# Altium PCB Nestling_2.1Allx2.PcbDoc (part 2 of 2) (continued)
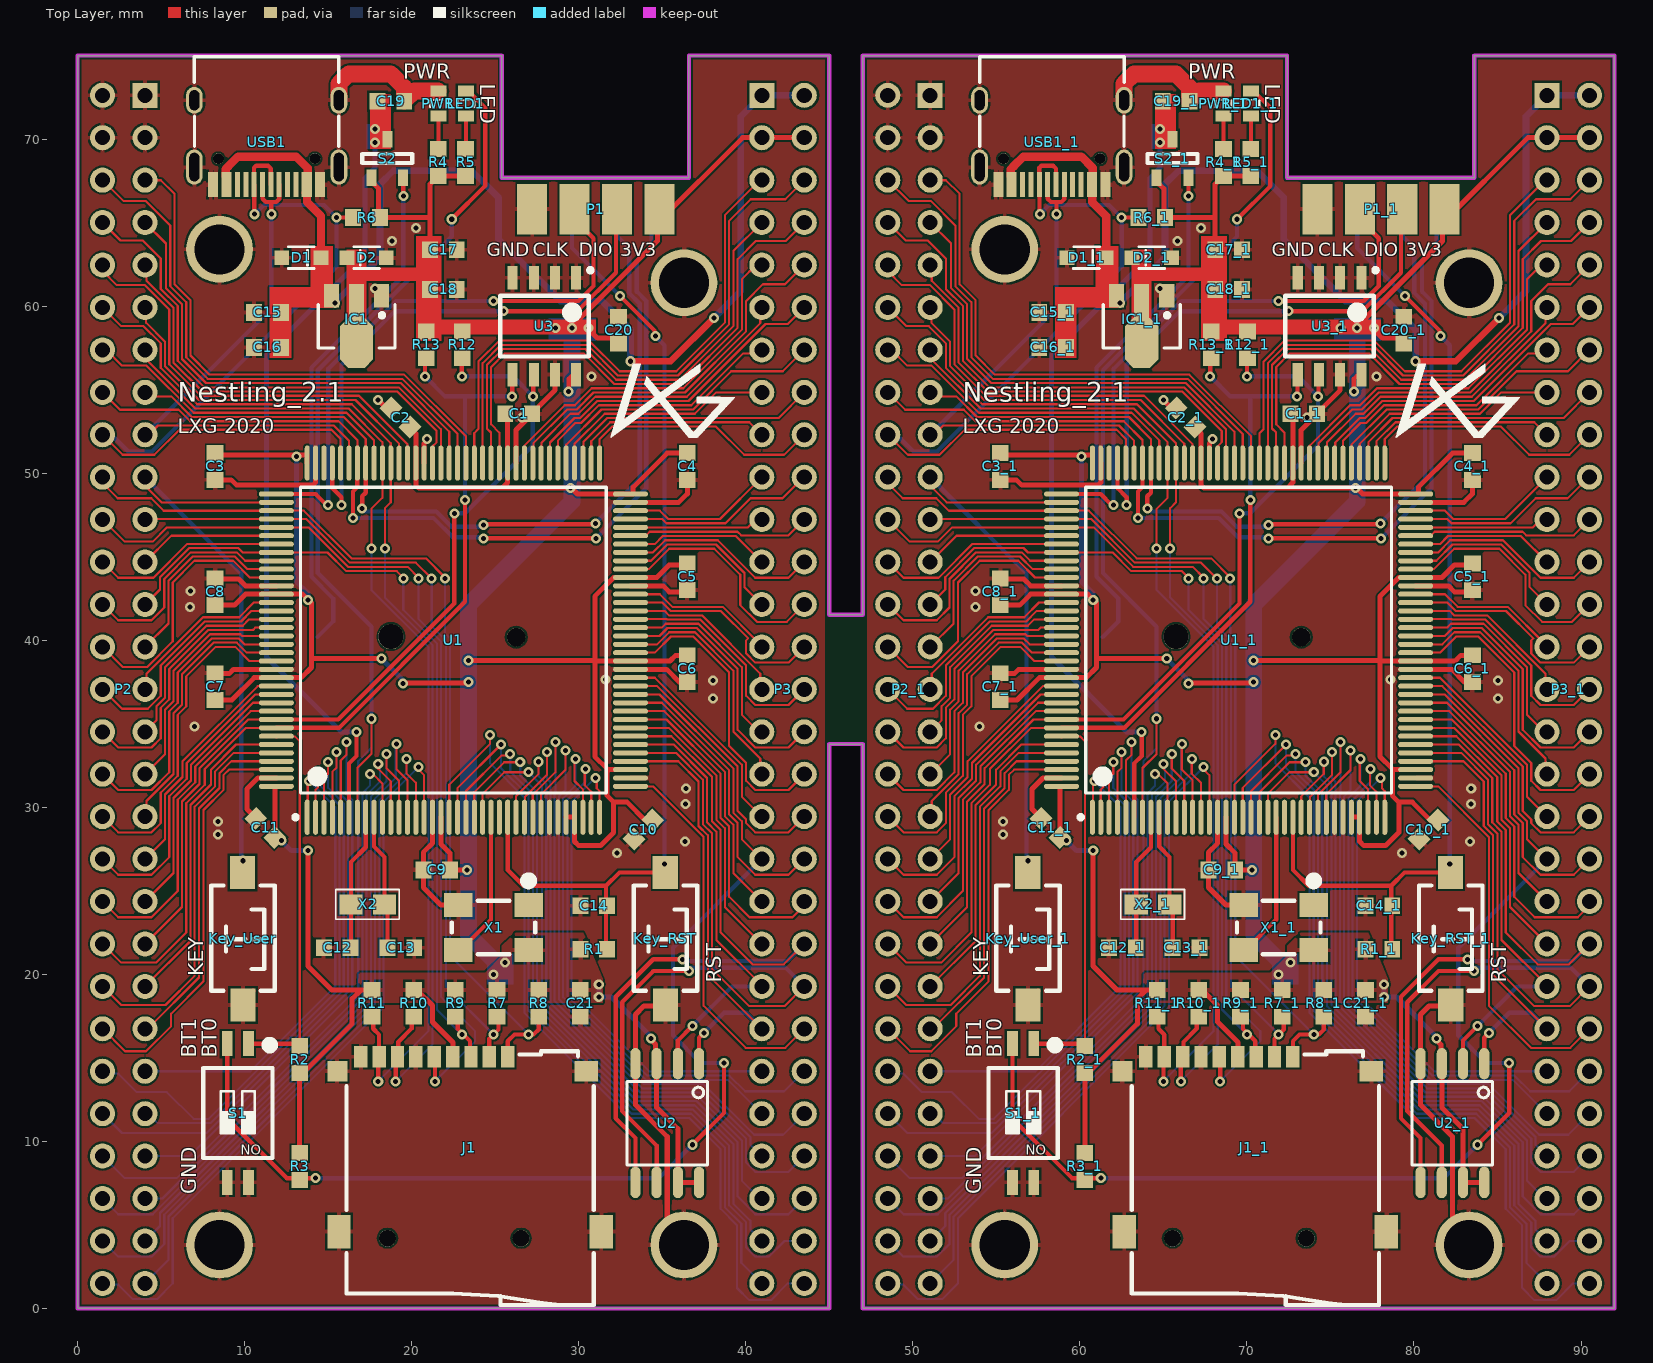
[diagram p0: Top Layer view]
## Nets (pads, with @x,y where several pads share a name; then routed paths per layer and width w, separated by ;. In a path a pad name is that pad's centre, name@x,y a point inside that pad or via, vN(x,y) a via of type N, cw(c..) or ccw(c..) an arc to the next point about the centre after c; other vN are vias at no path point) (continued)
  Top Layer w0.127: v1(18,32.6) 18,32.3 18.75,31.55 U1.11@18.75,29.405 ; v1(65,32.6) 65,32.3 65.75,31.55 U1_1.11@65.75,29.405
  Bottom Layer w0.127: P2.54@1.5,6.58 2.441,5.639 4.503,5.639 17.308,18.445 17.308,30.745 18.1,31.537 18.1,32.5 18.2,32.6 v1(18,32.6) ; P2_1.54@48.5,6.58 49.441,5.639 51.503,5.639 64.308,18.445 64.308,30.745 65.1,31.537 65.1,32.5 65.2,32.6 v1(65,32.6)
PF2: P2.55 P2_1.55 U1.12 U1_1.12 | length 78.5
  Top Layer w0.127: v1(18.5,33.2) 18.5,32.322 19.25,31.572 U1.12@19.25,29.405 ; v1(65.5,33.2) 65.5,32.322 66.25,31.572 U1_1.12@66.25,29.405
  Bottom Layer w0.127: P2.55@4.04,4.04 4.938,4.938 4.938,5.716 17.562,18.34 17.562,30.64 18.5,31.578 v1(18.5,33.2) ; P2_1.55@51.04,4.04 51.938,4.938 51.938,5.716 64.562,18.34 64.562,30.64 65.5,31.578 v1(65.5,33.2)
PF3: P2.56 P2_1.56 U1.13 U1_1.13 | length 89.5
  Top Layer w0.127: v1(19.1,33.8) 19.1,32.259 19.75,31.609 U1.13@19.75,29.405 ; v1(66.1,33.8) 66.1,32.259 66.75,31.609 U1_1.13@66.75,29.405
  Bottom Layer w0.127: P2.56@1.5,4.04 2.441,3.099 4.43,3.099 5.192,3.862 5.192,5.61 17.816,18.234 17.816,30.534 19.044,31.763 19.044,33.744 v1(19.1,33.8) ; P2_1.56@48.5,4.04 49.441,3.099 51.43,3.099 52.192,3.862 52.192,5.61 64.816,18.234 64.816,30.534 66.044,31.763 66.044,33.744 v1(66.1,33.8)
PF4: P2.57 P2_1.57 U1.14 U1_1.14 | length 83.2
  Top Layer w0.127: v1(19.7,32.9) 19.7,32.018 20.25,31.468 U1.14@20.25,29.405 ; v1(66.7,32.9) 66.7,32.018 67.25,31.468 U1_1.14@67.25,29.405
  Bottom Layer w0.127: P2.57@4.04,1.5 5.446,2.906 5.446,5.505 18.07,18.129 18.07,30.429 19.7,32.059 v1(19.7,32.9) ; P2_1.57@51.04,1.5 52.446,2.906 52.446,5.505 65.07,18.129 65.07,30.429 66.7,32.059 v1(66.7,32.9)
PF5: P2.58 P2_1.58 U1.15 U1_1.15 | length 90.2
  Top Layer w0.127: v1(20.4,32.4) 20.4,32.272 20.75,31.922 U1.15@20.75,29.405 ; v1(67.4,32.4) 67.4,32.272 67.75,31.922 U1_1.15@67.75,29.405
  Bottom Layer w0.127: P2.58@1.5,1.5 1.575,1.425 2.441,1.425 3.306,0.559 4.759,0.559 5.7,1.5 5.7,5.4 18.324,18.024 18.324,30.324 v1(20.4,32.4) ; P2_1.58@48.5,1.5 48.575,1.425 49.441,1.425 50.306,0.559 51.76,0.559 52.7,1.5 52.7,5.4 65.324,18.024 65.324,30.324 v1(67.4,32.4)
PF6: P3.58 P3_1.58 U1.18 U1_1.18 | length 104
  Top Layer w0.127: U1.18@22.25,29.405 22.25,31.354 24.7,33.804 v1(24.7,34.321) ; U1_1.18@69.25,29.405 69.25,31.354 71.7,33.804 v1(71.7,34.321)
  Bottom Layer w0.127: v1(24.7,34.321) 24.7,32.629 26.746,30.583 26.746,17.711 33.056,11.4 36.626,11.4 38.495,9.531 38.495,5.961 39.476,4.981 39.476,1.224 40.2,0.5 41.514,0.5 42.514,1.5 P3.58@43.5,1.5 ; v1(71.7,34.321) 71.7,32.629 73.746,30.583 73.746,17.711 80.057,11.4 83.626,11.4 85.496,9.531 85.496,5.961 86.476,4.981 86.476,1.224 87.2,0.5 88.514,0.5 89.514,1.5 P3_1.58@90.5,1.5
PF7: P3.57 P3_1.57 U1.19 U1_1.19 | length 92.5
  Top Layer w0.127: U1.19@22.75,29.405 22.75,31.16 v1(25.345,33.755) ; U1_1.19@69.75,29.405 69.75,31.16 v1(72.345,33.755)
  Bottom Layer w0.127: v1(25.345,33.755) 25.345,32.343 27,30.688 27,17.816 33.162,11.654 36.732,11.654 38.749,9.636 38.749,6.066 39.73,5.086 39.73,2.73 P3.57@40.96,1.5 ; v1(72.345,33.755) 72.345,32.343 74,30.688 74,17.816 80.162,11.654 83.732,11.654 85.75,9.636 85.75,6.066 86.73,5.086 86.73,2.73 P3_1.57@87.96,1.5
PF8: P3.56 P3_1.56 U1.20 U1_1.20 | length 93.5
  Top Layer w0.127: U1.20@23.25,29.405 23.25,30.973 25.386,33.109 25.809,33.109 v1(25.9,33.2) ; U1_1.20@70.25,29.405 70.25,30.973 72.386,33.109 72.809,33.109 v1(72.9,33.2)
  Bottom Layer w0.127: v1(25.9,33.2) 25.9,32.147 27.254,30.793 27.254,17.921 33.267,11.908 36.837,11.908 39.003,9.741 39.003,6.171 40.019,5.155 40.019,3.65 40.57,3.099 41.35,3.099 41.364,3.114 41.379,3.099 42.32,4.04 P3.56@43.5,4.04 ; v1(72.9,33.2) 72.9,32.147 74.254,30.793 74.254,17.921 80.267,11.908 83.837,11.908 86.004,9.741 86.004,6.171 87.02,5.155 87.02,3.65 87.57,3.099 88.35,3.099 88.364,3.114 88.379,3.099 89.32,4.04 P3_1.56@90.5,4.04
PF9: P3.55 P3_1.55 U1.21 U1_1.21 | length 83.5
  Top Layer w0.127: U1.21@23.75,29.405 23.75,30.905 25.545,32.7 v1(26.5,32.7) ; U1_1.21@70.75,29.405 70.75,30.905 72.545,32.7 v1(73.5,32.7)
  Bottom Layer w0.127: v1(26.5,32.7) 26.5,31.906 27.508,30.898 27.508,18.026 33.372,12.162 36.942,12.162 39.257,9.846 39.257,6.277 40.273,5.261 40.273,4.727 P3.55@40.96,4.04 ; v1(73.5,32.7) 73.5,31.906 74.508,30.898 74.508,18.026 80.372,12.162 83.942,12.162 86.258,9.846 86.258,6.277 87.274,5.261 87.274,4.727 P3_1.55@87.96,4.04
PF10: P3.54 P3_1.54 U1.22 U1_1.22 | length 84.4
  Top Layer w0.127: U1.22@24.25,29.405 24.25,30.81 25.54,32.1 v1(27,32.1) ; U1_1.22@71.25,29.405 71.25,30.81 72.54,32.1 v1(74,32.1)
  Bottom Layer w0.127: v1(27,32.1) 27.8,31.3 27.8,18.093 33.477,12.416 37.047,12.416 39.511,9.952 39.511,6.698 40.57,5.639 42.559,5.639 P3.54@43.5,6.58 ; v1(74,32.1) 74.8,31.3 74.8,18.093 80.477,12.416 84.047,12.416 86.512,9.952 86.512,6.698 87.57,5.639 89.56,5.639 P3_1.54@90.5,6.58
PF11: P3.36 P3_1.36 U1.49 U1_1.49 | length 32.2
  Top Layer w0.127: U1.49@33.1,37.255 34.695,37.255 39.511,32.438 39.511,29.781 40.019,29.273 40.019,29.05 40.57,28.499 42.559,28.499 P3.36@43.5,29.44 ; U1_1.49@80.1,37.255 81.695,37.255 86.512,32.438 86.512,29.781 87.02,29.273 87.02,29.05 87.57,28.499 89.56,28.499 P3_1.36@90.5,29.44
PF12: P3.35 P3_1.35 U1.50 U1_1.50 | length 24.8
  Top Layer w0.127: U1.50@33.1,37.755 34.554,37.755 39.765,32.544 39.765,30.635 P3.35@40.96,29.44 ; U1_1.50@80.1,37.755 81.554,37.755 86.766,32.544 86.766,30.635 P3_1.35@87.96,29.44
PF13: P3.34 P3_1.34 U1.53 U1_1.53 | length 36.4
  Top Layer w0.127: U1.53@33.1,39.255 34.555,39.255 35.522,40.222 36.853,40.222 39.003,38.071 39.003,33.665 40.019,32.649 40.019,31.59 40.57,31.039 42.559,31.039 P3.34@43.5,31.98 ; U1_1.53@80.1,39.255 81.555,39.255 82.522,40.222 83.853,40.222 86.004,38.071 86.004,33.665 87.02,32.649 87.02,31.59 87.57,31.039 89.56,31.039 P3_1.34@90.5,31.98
PF14: P3.33 P3_1.33 U1.54 U1_1.54 | length 28.6
  Top Layer w0.127: U1.54@33.1,39.755 34.696,39.755 35.417,40.476 36.958,40.476 39.257,38.176 39.257,34.533 40.87,32.921 40.87,32.07 P3.33@40.96,31.98 ; U1_1.54@80.1,39.755 81.696,39.755 82.417,40.476 83.958,40.476 86.258,38.176 86.258,34.533 87.87,32.921 87.87,32.07 P3_1.33@87.96,31.98
PF15: P3.32 P3_1.32 U1.55 U1_1.55 | length 32.2
  Top Layer w0.127: U1.55@33.1,40.255 34.837,40.255 35.312,40.73 37.063,40.73 39.511,38.282 39.511,34.638 40.57,33.579 42.559,33.579 P3.32@43.5,34.52 ; U1_1.55@80.1,40.255 81.837,40.255 82.312,40.73 84.063,40.73 86.512,38.282 86.512,34.638 87.57,33.579 89.56,33.579 P3_1.32@90.5,34.52
PG0: P3.31 P3_1.31 U1.56 U1_1.56 | length 24.6
  Top Layer w0.127: U1.56@33.1,40.755 34.977,40.755 35.206,40.984 37.168,40.984 39.765,38.387 39.765,35.535 40.78,34.52 P3.31@40.96,34.52 ; U1_1.56@80.1,40.755 81.977,40.755 82.206,40.984 84.168,40.984 86.766,38.387 86.766,35.535 87.78,34.52 P3_1.31@87.96,34.52
PG1: P3.30 P3_1.30 U1.57 U1_1.57 | length 28
  Top Layer w0.127: U1.57@33.1,41.255 33.108,41.263 35.268,41.263 35.293,41.238 37.274,41.238 40.019,38.492 40.019,36.67 40.57,36.119 42.559,36.119 P3.30@43.5,37.06 ; U1_1.57@80.1,41.255 80.108,41.263 82.268,41.263 82.293,41.238 84.274,41.238 87.02,38.492 87.02,36.67 87.57,36.119 89.56,36.119 P3_1.30@90.5,37.06
PG2: P3.6 P3_1.6 U1.87 U1_1.87 | length 69.8
  Top Layer w0.127: U1.87@24.25,50.605 24.25,56.583 25.345,57.678 30.513,57.678 32.345,55.846 35.941,55.846 39.003,58.909 39.003,65.103 40.3,66.4 42.36,66.4 P3.6@43.5,67.54 ; U1_1.87@71.25,50.605 71.25,56.583 72.345,57.678 77.513,57.678 79.345,55.846 82.941,55.846 86.004,58.909 86.004,65.103 87.3,66.4 89.36,66.4 P3_1.6@90.5,67.54
PG3: P3.5 P3_1.5 U1.88 U1_1.88 | length 65.9
  Top Layer w0.127: U1.88@23.75,50.605 23.75,52.4 23.996,52.646 23.996,56.689 25.24,57.932 30.618,57.932 32.451,56.1 35.835,56.1 38.749,59.014 38.749,65.449 40.84,67.54 P3.5@40.96,67.54 ; U1_1.88@70.75,50.605 70.75,52.4 70.996,52.646 70.996,56.689 72.24,57.932 77.618,57.932 79.451,56.1 82.835,56.1 85.75,59.014 85.75,65.449 87.84,67.54 P3_1.5@87.96,67.54
PG4: P2.5 P2_1.5 U1.89 U1_1.89 | length 64.5
  Top Layer w0.127: P2.5@4.04,67.54 4.043,67.536 4.981,67.536 5.8,66.717 5.8,61.3 6.759,60.341 6.759,57.041 7.898,55.902 19.552,55.902 23.25,52.204 U1.89@23.25,50.605 ; P2_1.5@51.04,67.54 51.044,67.536 51.981,67.536 52.8,66.717 52.8,61.3 53.759,60.341 53.759,57.041 54.898,55.902 66.552,55.902 70.25,52.204 U1_1.89@70.25,50.605
PG5: P2.6 P2_1.6 U1.90 U1_1.90 | length 66.7
  Top Layer w0.127: P2.6@1.5,67.54 2.74,66.3 4.07,66.3 5.546,64.824 5.546,61.195 6.505,60.236 6.505,56.936 7.793,55.648 19.447,55.648 22.75,52.345 U1.90@22.75,50.605 ; P2_1.6@48.5,67.54 49.74,66.3 51.07,66.3 52.546,64.824 52.546,61.195 53.505,60.236 53.505,56.936 54.793,55.648 66.447,55.648 69.75,52.345 U1_1.90@69.75,50.605
PG6: P2.7 P2_1.7 U1.91 U1_1.91 | length 57.5
  Top Layer w0.127: P2.7@4.04,65 5.292,63.748 5.292,61.076 6.251,60.117 6.251,56.831 7.688,55.394 19.341,55.394 22.25,52.485 U1.91@22.25,50.605 ; P2_1.7@51.04,65 52.292,63.748 52.292,61.076 53.251,60.117 53.251,56.831 54.688,55.394 66.341,55.394 69.25,52.485 U1_1.91@69.25,50.605
PG7: P2.8 P2_1.8 U1.92 U1_1.92 | length 60.8
  Top Layer w0.127: P2.8@1.5,65 2.569,63.931 3.899,63.931 4.981,62.85 4.981,61.028 5.997,60.012 5.997,56.726 7.582,55.14 19.236,55.14 21.75,52.626 U1.92@21.75,50.605 ; P2_1.8@48.5,65 49.569,63.931 50.899,63.931 51.981,62.85 51.981,61.028 52.997,60.012 52.997,56.726 54.582,55.14 66.236,55.14 68.75,52.626 U1_1.92@68.75,50.605
PG8: P2.9 P2_1.9 U1.93 U1_1.93 | length 50.2
  Top Layer w0.127: P2.9@4.04,62.46 4.13,62.37 4.13,61.519 5.743,59.907 5.743,56.621 7.477,54.886 19.131,54.886 21.496,52.521 21.496,51.86 21.25,51.614 U1.93@21.25,51.505 ; P2_1.9@51.04,62.46 51.13,62.37 51.13,61.519 52.743,59.907 52.743,56.621 54.477,54.886 66.131,54.886 68.496,52.521 68.496,51.86 68.25,51.614 U1_1.93@68.25,51.505
PG9: P2.31 P2_1.31 U1.124 U1_1.124 | length 24.4
  Top Layer w0.127: P2.31@4.04,34.52 4.727,35.207 4.727,36.057 5.235,36.565 5.235,38.387 7.718,40.87 9.888,40.87 10.265,41.247 11.892,41.247 U1.124@11.9,41.255 ; P2_1.31@51.04,34.52 51.727,35.207 51.727,36.057 52.235,36.565 52.235,38.387 54.718,40.87 56.888,40.87 57.265,41.247 58.892,41.247 U1_1.124@58.9,41.255
PG10: P2.32 P2_1.32 U1.125 U1_1.125 | length 31.8
  Top Layer w0.127: P2.32@1.5,34.52 2.441,33.579 4.43,33.579 4.981,34.13 4.981,35.952 5.489,36.46 5.489,38.282 7.823,40.616 10.5,40.616 10.639,40.755 U1.125@11.9,40.755 ; P2_1.32@48.5,34.52 49.441,33.579 51.43,33.579 51.981,34.13 51.981,35.952 52.489,36.46 52.489,38.282 54.823,40.616 57.5,40.616 57.639,40.755 U1_1.125@58.9,40.755
PG11: P2.33 P2_1.33 U1.126 U1_1.126 | length 28
  Top Layer w0.127: P2.33@4.04,31.98 5.235,33.175 5.235,35.847 5.743,36.355 5.743,38.176 7.928,40.362 9.748,40.362 9.855,40.255 U1.126@11.9,40.255 ; P2_1.33@51.04,31.98 52.235,33.175 52.235,35.847 52.743,36.355 52.743,38.176 54.928,40.362 56.748,40.362 56.855,40.255 U1_1.126@58.9,40.255
PG12: P2.34 P2_1.34 U1.127 U1_1.127 | length 35.8
  Top Layer w0.127: P2.34@1.5,31.98 2.441,31.039 4.43,31.039 5.489,32.098 5.489,35.742 5.997,36.25 5.997,38.071 8.033,40.108 9.642,40.108 9.995,39.755 U1.127@11.9,39.755 ; P2_1.34@48.5,31.98 49.441,31.039 51.43,31.039 52.489,32.098 52.489,35.742 52.997,36.25 52.997,38.071 55.033,40.108 56.642,40.108 56.995,39.755 U1_1.127@58.9,39.755
PG13: P2.35 P2_1.35 U1.128 U1_1.128 | length 32.2
  Top Layer w0.127: P2.35@4.04,29.44 4.13,29.53 4.13,30.381 5.743,31.993 5.743,35.636 6.251,36.144 6.251,37.966 8.139,39.854 9.537,39.854 10.136,39.255 U1.128@11.9,39.255 ; P2_1.35@51.04,29.44 51.13,29.53 51.13,30.381 52.743,31.993 52.743,35.636 53.251,36.144 53.251,37.966 55.139,39.854 56.537,39.854 57.136,39.255 U1_1.128@58.9,39.255
PG14: P2.36 P2_1.36 U1.129 U1_1.129 | length 40
  Top Layer w0.127: P2.36@1.5,29.44 2.441,28.499 4.43,28.499 4.981,29.05 4.981,30.872 5.997,31.888 5.997,35.531 6.505,36.039 6.505,37.838 8.267,39.6 9.432,39.6 10.277,38.755 U1.129@11.9,38.755 ; P2_1.36@48.5,29.44 49.441,28.499 51.43,28.499 51.981,29.05 51.981,30.872 52.997,31.888 52.997,35.531 53.505,36.039 53.505,37.838 55.267,39.6 56.432,39.6 57.277,38.755 U1_1.129@58.9,38.755
PG15: P2.37 P2_1.37 U1.132 U1_1.132 | length 28.5
  Top Layer w0.127: P2.37@4.04,26.9 5.235,28.095 5.235,30.767 6.284,31.816 6.284,32.754 10.785,37.255 U1.132@11.9,37.255 ; P2_1.37@51.04,26.9 52.235,28.095 52.235,30.767 53.284,31.816 53.284,32.754 57.785,37.255 U1_1.132@58.9,37.255
"SWCLK PA14": P1.3 P1_1.3 U1.109 U1_1.109 | length 69.1
  Top Layer w0.254: U1.109@11.9,48.755 11.909,48.746 14.254,48.746 14.9,48.1 v1(15.006,48.1) ; v1(24.9,60.3) 29.989,60.3 30.889,61.2 30.889,64.067 29.756,65.2 P1.3@29.756,65.8 ; U1_1.109@58.9,48.755 58.909,48.746 61.254,48.746 61.9,48.1 v1(62.006,48.1) ; v1(71.9,60.3) 76.989,60.3 77.889,61.2 77.889,64.067 76.756,65.2 P1_1.3@76.756,65.8
  Bottom Layer w0.254: v1(15.006,48.1) 15.006,56.245 19.061,60.3 v1(24.9,60.3) ; v1(62.006,48.1) 62.006,56.245 66.061,60.3 v1(71.9,60.3)
"SWDIO PA13": P1.2 P1_1.2 U1.105 U1_1.105 | length 67.3
  Top Layer w0.254: U1.105@15.25,50.605 15.25,49.105 15.8,48.555 v1(15.8,48.1) ; v1(25.5,59.7) 29.928,59.7 32.228,62 32.228,65.732 P1.2@32.296,65.8 ; U1_1.105@62.25,50.605 62.25,49.105 62.8,48.555 v1(62.8,48.1) ; v1(72.5,59.7) 76.928,59.7 79.228,62 79.228,65.732 P1_1.2@79.296,65.8
  Bottom Layer w0.254: v1(15.8,48.1) 15.8,56.5 19,59.7 v1(25.5,59.7) ; v1(62.8,48.1) 62.8,56.5 66,59.7 v1(72.5,59.7)
VBAT: C19.1 C19_1.1 S2.3 S2_1.3 U1.6 U1_1.6 | length 97.2
  Top Layer w0.254: U1.6@16.25,29.405 16.25,32.621 16.7,33.071 v1(16.7,34.52) ; U1_1.6@63.25,29.405 63.25,32.621 63.7,33.071 v1(63.7,34.52)
  Top Layer w0.3: C19.1@17.958,72.271 17.958,70.768 18.542,70.184 S2.3@18.542,69.984 ; C19_1.1@64.958,72.271 64.958,70.768 65.542,70.184 S2_1.3@65.542,69.984
  Bottom Layer w0.3: v1(16.7,34.52) 15.78,34.52 11.3,39 11.3,57.1 17.2,63 17.2,67.663 17.8,68.263 v1(17.8,69.8) ; v1(63.7,34.52) 62.78,34.52 58.3,39 58.3,57.1 64.2,63 64.2,67.663 64.8,68.263 v1(64.8,69.8)
  other v1: 17.8,70.6 64.8,70.6
pads on no net: B1.0 B1_1.0 J1.0 J1_1.0 U1.24 U1.106 U1_1.24 U1_1.106 USB1.0 USB1.A5 USB1.A8 USB1.B5 USB1.B8 USB1_1.0 USB1_1.A5 USB1_1.A8 USB1_1.B5 USB1_1.B8 X1.1 X1_1.1

## Polygon pours and split planes (outlines as drawn)
GND on Top Layer "Top GND" (solid, pour order 108): 47,0 47,75 72.4,75 72.4,67.691 83.6,67.691 83.6,75 92,75 92,0
3V3 on Top Layer "Top Layer-3V3" (solid, pour order 106): 63.823,20 63.923,20.1 71.4,20.1 72.4,21.1 72.4,21.7 73.2,22.5 77.269,22.5 78.437,19.725 78.437,18.3 77.496,18.3 63.75,18.3
GND on Top Layer "Top Layer-GND 4" (solid, pour order 104): 53.2,9 53.3,9.1 57.6,9.1 59,7.7 59,6.4 61.4,6.4 61.9,6.9 61.9,15.065 62.935,16.1 63.95,16.1 64.4,15.65 64.4,12.8 66.4,12.8 67,13.4 67,15.6 67.3,15.6 67.6,15.3 67.6,13.217 68.017,12.8 75.797,12.8 75.797,17.3 77.9,17.3 78.7,16.863 78.7,3.4 64.95,3.4 62.65,1.1 53.705,1.1 52.9,1.904 52.9,8.6
GND on Top Layer "Top Layer-GND" (solid, pour order 102): 61.2,66.5 61.2,70 63.4,70 63.5,69.9 63.5,66.717 63.283,66.5
GND on Top Layer "Top Layer-GND 1" (solid, pour order 100): 55.43,66.6 55.4,66.63 55.4,69.851 55.351,69.9 52.997,69.9 52.997,67.108 53.505,66.6
GND on Top Layer "Top Layer-GND 2" (solid, pour order 98): 47.5,74.1 62.8,74.1 63.5,73.4 63.5,68.5 63.2,68.2 62,69.4 55,69.4 54.1,68.5 54.1,67.7 53.5,67.7 52.2,69 47.9,69 47.3,69.6 47.3,73.7
GND on Top Layer "Top Layer-GND 3" (solid, pour order 96): 78.4,6.3 78.5,6.2 85.191,6.2 86.004,5.388 86.004,2.203 84.4,0.6 54.189,0.6 53.7,1.089 53.7,1.4
GND on Top Layer "Top GND" (solid, pour order 92): 0,0 0,75 25.4,75 25.4,67.691 36.6,67.691 36.6,75 45,75 45,0
3V3 on Top Layer "Top Layer-3V3" (solid, pour order 90): 16.823,20 16.923,20.1 24.4,20.1 25.4,21.1 25.4,21.7 26.2,22.5 30.269,22.5 31.437,19.725 31.437,18.3 30.496,18.3 16.75,18.3
GND on Top Layer "Top Layer-GND 4" (solid, pour order 88): 6.2,9 6.3,9.1 10.6,9.1 12,7.7 12,6.4 14.4,6.4 14.9,6.9 14.9,15.065 15.935,16.1 16.95,16.1 17.4,15.65 17.4,12.8 19.4,12.8 20,13.4 20,15.6 20.3,15.6 20.6,15.3 20.6,13.217 21.017,12.8 28.797,12.8 28.797,17.3 30.9,17.3 31.7,16.863 31.7,3.4 17.95,3.4 15.65,1.1 6.705,1.1 5.9,1.904 5.9,8.6
GND on Top Layer "Top Layer-GND" (solid, pour order 86): 14.2,66.5 14.2,70 16.4,70 16.5,69.9 16.5,66.717 16.283,66.5
GND on Top Layer "Top Layer-GND 1" (solid, pour order 84): 8.43,66.6 8.4,66.63 8.4,69.851 8.351,69.9 5.997,69.9 5.997,67.108 6.505,66.6
GND on Top Layer "Top Layer-GND 2" (solid, pour order 82): 0.5,74.1 15.8,74.1 16.5,73.4 16.5,68.5 16.2,68.2 15,69.4 8,69.4 7.1,68.5 7.1,67.7 6.5,67.7 5.2,69 0.9,69 0.3,69.6 0.3,73.7
GND on Top Layer "Top Layer-GND 3" (solid, pour order 80): 31.4,6.3 31.5,6.2 38.191,6.2 39.003,5.388 39.003,2.203 37.4,0.6 7.189,0.6 6.7,1.089 6.7,1.4
GND on Bottom Layer "BOTTOM GND" (solid, pour order 110): 47,0 47,75 72.4,75 72.4,67.691 83.6,67.691 83.6,75 92,75 92,0
GND on Bottom Layer "BOTTOM GND" (solid, pour order 94): 0,0 0,75 25.4,75 25.4,67.691 36.6,67.691 36.6,75 45,75 45,0

## Keep-outs
Keep-Out Layer:
  the board outline again, w0.254

## Other copper
Top Layer:
  rectangle net VBAT: 64.5,69.4 65.75,72.7
  rectangle net 3V3: 68.1,58.3 78.039,59.2
  rectangle net 3V3: 63.1,58.7 64.3,63.4
  rectangle net 5V: 60.945,59.9 62.3,63.6
  rectangle net 3V3: 67.25,57.9 68.8,64.2
  rectangle net 3V3: 63.231,61.5 68.7,62.3
  rectangle net 5V: 58.5,59.907 62.191,61.142
  rectangle net 5V: 58.5,56.9 59.8,60.3
  rectangle net VBAT: 17.5,69.4 18.75,72.7
  rectangle net 3V3: 21.1,58.3 31.039,59.2
  rectangle net 3V3: 16.1,58.7 17.3,63.4
  rectangle net 5V: 13.945,59.9 15.3,63.6
  rectangle net 3V3: 20.25,57.9 21.8,64.2
  rectangle net 3V3: 16.231,61.5 21.7,62.3
  rectangle net 5V: 11.5,59.907 15.191,61.142
  rectangle net 5V: 11.5,56.9 12.8,60.3
Bottom Layer:
  rectangle net VBAT: 64.3,69.4 65.3,70.9
  rectangle net 3V3: 71.5,19.4 73.1,21.245
  rectangle net 3V3: 75.2,57.9 78.039,59.3
  rectangle net VBAT: 17.3,69.4 18.3,70.9
  rectangle net 3V3: 24.5,19.4 26.1,21.245
  rectangle net 3V3: 28.2,57.9 31.039,59.3

## Silkscreen, mask and mechanical layers (free items; w line width, h text height)
Top Overlay:
  drawing of 2806 lines, arcs and shapes, not listed
  text "PWR" at 19.5,73.6 h0.9
  text "PWR" at 66.5,73.6 h0.9
  text "LED" at 24.105,73.3 h0.9 r270
  text "LED" at 71.105,73.3 h0.9 r270
  text "GND" at 24.5,63 h0.8
  text "CLK" at 27.254,63 h0.8
  text "DIO" at 30.015,63 h0.8
  text "3V3" at 32.5,63 h0.8
  text "GND" at 71.5,63 h0.8
  text "CLK" at 74.254,63 h0.8
  text "DIO" at 77.015,63 h0.8
  text "3V3" at 79.5,63 h0.8
  text "Nestling_2.1" at 6,53.9 h2
  text "Nestling_2.1" at 53,53.9 h2
  text "LXG 2020" at 6,52.1 h1.5
  text "LXG 2020" at 53,52.1 h1.5
  text "KEY" at 7.53,19.9 h0.9 r90
  text "KEY" at 54.53,19.9 h0.9 r90
  text "RST" at 38.53,19.5 h0.9 r90
  text "RST" at 85.53,19.5 h0.9 r90
  text "BT1" at 7.1,15 h0.9 r90
  text "BT0" at 8.33,15 h0.9 r90
  text "BT1" at 54.1,15 h0.9 r90
  text "BT0" at 55.33,15 h0.9 r90
  text "GND" at 7.1,6.844 h0.9 r90
  text "GND" at 54.1,6.844 h0.9 r90
Bottom Overlay:
  drawing of 2806 lines, arcs and shapes, not listed
  text "5V" at 39.5,72.22 h0.8
  text "5V" at 86.5,72.22 h0.8
  text "GND->" at 11.713,72.2 h0.8
  text "GND->" at 58.713,72.2 h0.8
  text "3V3" at 39.5,69.7 h0.8
  text "3V3" at 86.5,69.7 h0.8
  text "GND->" at 11.713,69.661 h0.8
  text "GND->" at 58.713,69.661 h0.8
  text "<G2" at 39.6,67.5 h0.8
  text "<G2" at 86.6,67.5 h0.8
  text "G4 G5->" at 13.7,67.1 h0.8
  text "G4 G5->" at 60.7,67.1 h0.8
  text "G3" at 38,66.4 h0.8
  text "G3" at 85,66.4 h0.8
  text "<D14" at 39.6,65 h0.8
  text "<D14" at 86.6,65 h0.8
  text "G6 G7->" at 16.512,64.582 h0.8
  text "G6 G7->" at 63.512,64.582 h0.8
  text "D15" at 38.1,63.9 h0.8
  text "D15" at 85.1,63.9 h0.8
  text "GND" at 26.9,63.2 h0.8
  text "RST" at 29.88,63.2 h0.8
  text "TX" at 32.2,63.2 h0.8
  text "RX" at 34.5,63.2 h0.8
  text "GND" at 73.9,63.2 h0.8
  text "RST" at 76.88,63.2 h0.8
  text "TX" at 79.2,63.2 h0.8
  text "RX" at 81.5,63.2 h0.8
  text "G8 C6->" at 16.512,62.043 h0.8
  text "G8 C6->" at 63.512,62.043 h0.8
  text "<-D12 D13" at 33.7,61.5 h0.8
  text "<-D12 D13" at 80.7,61.5 h0.8
  text "C7 C8(TF)->" at 13.845,59.504 h0.8
  text "<-D10 D11" at 33.7,59.5 h0.8
  text "C7 C8(TF)->" at 60.845,59.504 h0.8
  text "<-D10 D11" at 80.7,59.5 h0.8
  text "<-D8 D9" at 39.5,57 h0.8
  text "<-D8 D9" at 86.5,57 h0.8
  text "C9(TF) A8->" at 13.845,56.964 h0.8
  text "C9(TF) A8->" at 60.845,56.964 h0.8
  text "<-B14 B15" at 39.5,54.6 h0.8
  text "<-B14 B15" at 86.5,54.6 h0.8
  text "A9 A10->" at 11.579,54.425 h0.8
  text "A9 A10->" at 58.579,54.425 h0.8
  text "A11(USB-) A12(USB+)->" at 21.175,51.886 h0.8
  text "A11(USB-) A12(USB+)->" at 68.175,51.886 h0.8
  text "<-B12 B13" at 39.5,51.8 h0.8
  text "<-B12 B13" at 86.5,51.8 h0.8
  text "A15(KEY) C10(TF)->" at 18.91,49.446 h0.8
  text "A15(KEY) C10(TF)->" at 65.91,49.446 h0.8
  text "<-B10 B11" at 39.5,49.265 h0.8
  text "<-B10 B11" at 86.5,49.265 h0.8
  text "C11(TF) C12(TF)->" at 18.004,47.6 h0.8
  text "C11(TF) C12(TF)->" at 65.004,47.6 h0.8
  text "<-E14 E15" at 39.5,46.73 h0.8
  text "<-E14 E15" at 86.5,46.73 h0.8
  text "D0 D1->" at 10.779,44.268 h0.8
  text "D0 D1->" at 57.779,44.268 h0.8
  text "<-E12 E13" at 39.5,44.195 h0.8
  text "<-E12 E13" at 86.5,44.195 h0.8
  text "D2(TF) D3->" at 13.845,41.729 h0.8
  text "D2(TF) D3->" at 60.845,41.729 h0.8
  text "<-E10 E11" at 39.5,41.66 h0.8
  text "<-E10 E11" at 86.5,41.66 h0.8
  text "D4 D5->" at 10.912,39.189 h0.8
  text "D4 D5->" at 57.912,39.189 h0.8
  text "<-E8 E9" at 39.5,39.125 h0.8
  text "<-E8 E9" at 86.5,39.125 h0.8
  text "D6 D7->" at 10.912,36.65 h0.8
  text "D6 D7->" at 57.912,36.65 h0.8
  text "<-G1 E7" at 39.5,36.59 h0.8
  text "<-G1 E7" at 86.5,36.59 h0.8
  text "G9 G10->" at 11.579,34.111 h0.8
  text "G9 G10->" at 58.579,34.111 h0.8
  text "<-F15 G0" at 39.5,34.055 h0.8
  text "<-F15 G0" at 86.5,34.055 h0.8
  text "G11 G12->" at 12.112,31.571 h0.8
  text "G11 G12->" at 59.112,31.571 h0.8
  text "<-F13 F14" at 39.5,31.52 h0.8
  text "<-F13 F14" at 86.5,31.52 h0.8
  text "G13 G14->" at 12.245,29.032 h0.8
  text "G13 G14->" at 59.245,29.032 h0.8
  text "<-F11 F12" at 39.5,28.985 h0.8
  text "<-F11 F12" at 86.5,28.985 h0.8
  text "G15 B3->" at 11.579,26.493 h0.8
  text "G15 B3->" at 58.579,26.493 h0.8
  text "<-B1 B2(BT1)" at 39.5,26.45 h0.8
  text "<-B1 B2(BT1)" at 86.5,26.45 h0.8
  text "Nestling_2.1" at 28.028,26.324 h2
  text "Nestling_2.1" at 75.028,26.324 h2
  text "LXG 2020" at 25.928,24.024 h1.5
  text "LXG 2020" at 72.928,24.024 h1.5
  text "B4 B5->" at 10.912,23.954 h0.8
  text "B4 B5->" at 57.912,23.954 h0.8
  text "<-C5 B0" at 39.5,23.915 h0.8
  text "<-C5 B0" at 86.5,23.915 h0.8
  text "B6(EEPROM) B7(EEPROM)->" at 23.175,21.414 h0.8
  text "B6(EEPROM) B7(EEPROM)->" at 70.175,21.414 h0.8
  text "<-A7(FLASH) C4" at 39.5,21.38 h0.8
  text "<-A7(FLASH) C4" at 86.5,21.38 h0.8
  text "B8 B9->" at 10.912,18.875 h0.8
  text "B8 B9->" at 57.912,18.875 h0.8
  text "<-A5(FLASH) A6(FLASH)" at 39.5,18.845 h0.8
  text "<-A5(FLASH) A6(FLASH)" at 86.5,18.845 h0.8
  text "E0 E1->" at 10.779,16.336 h0.8
  text "E0 E1->" at 57.779,16.336 h0.8
  text "<-A3 A4(FLASH)" at 39.5,16.31 h0.8
  text "<-A3 A4(FLASH)" at 86.5,16.31 h0.8
  text "E2 E3->" at 10.912,13.796 h0.8
  text "<-A1 A2" at 39.5,13.775 h0.8
  text "E2 E3->" at 57.912,13.796 h0.8
  text "<-A1 A2" at 86.5,13.775 h0.8
  text "E4 E5->" at 10.912,11.257 h0.8
  text "<-C3 A0" at 39.5,11.24 h0.8
  text "E4 E5->" at 57.912,11.257 h0.8
  text "<-C3 A0" at 86.5,11.24 h0.8
  text "E6 C13(LED)->" at 15.311,8.718 h0.8
  text "<-C1 C2" at 39.5,8.705 h0.8
  text "E6 C13(LED)->" at 62.311,8.718 h0.8
  text "<-C1 C2" at 86.5,8.705 h0.8
  text "F0 F1->" at 10.779,6.179 h0.8
  text "<-F10 C0" at 39.5,6.17 h0.8
  text "F0 F1->" at 57.779,6.179 h0.8
  text "<-F10 C0" at 86.5,6.17 h0.8
  text "F2 F3->" at 16.512,3.639 h0.8
  text "F2 F3->" at 63.512,3.639 h0.8
  text "<-F8 F9" at 33.6,3.6 h0.8
  text "<-F8 F9" at 80.6,3.6 h0.8
  text "<-F6 F7" at 33.6,1.2 h0.8
  text "<-F6 F7" at 80.6,1.2 h0.8
  text "F4 F5->" at 16.512,1.1 h0.8
  text "F4 F5->" at 63.512,1.1 h0.8

## Text inside footprints (layer, text, board x,y; h text height)
S1: Top Overlay "ON" at 10.997,10.004 h1 r180
S1_1: Top Overlay "ON" at 57.997,10.004 h1 r180